# Allegro board BeagleBone-AI.brd (continued)
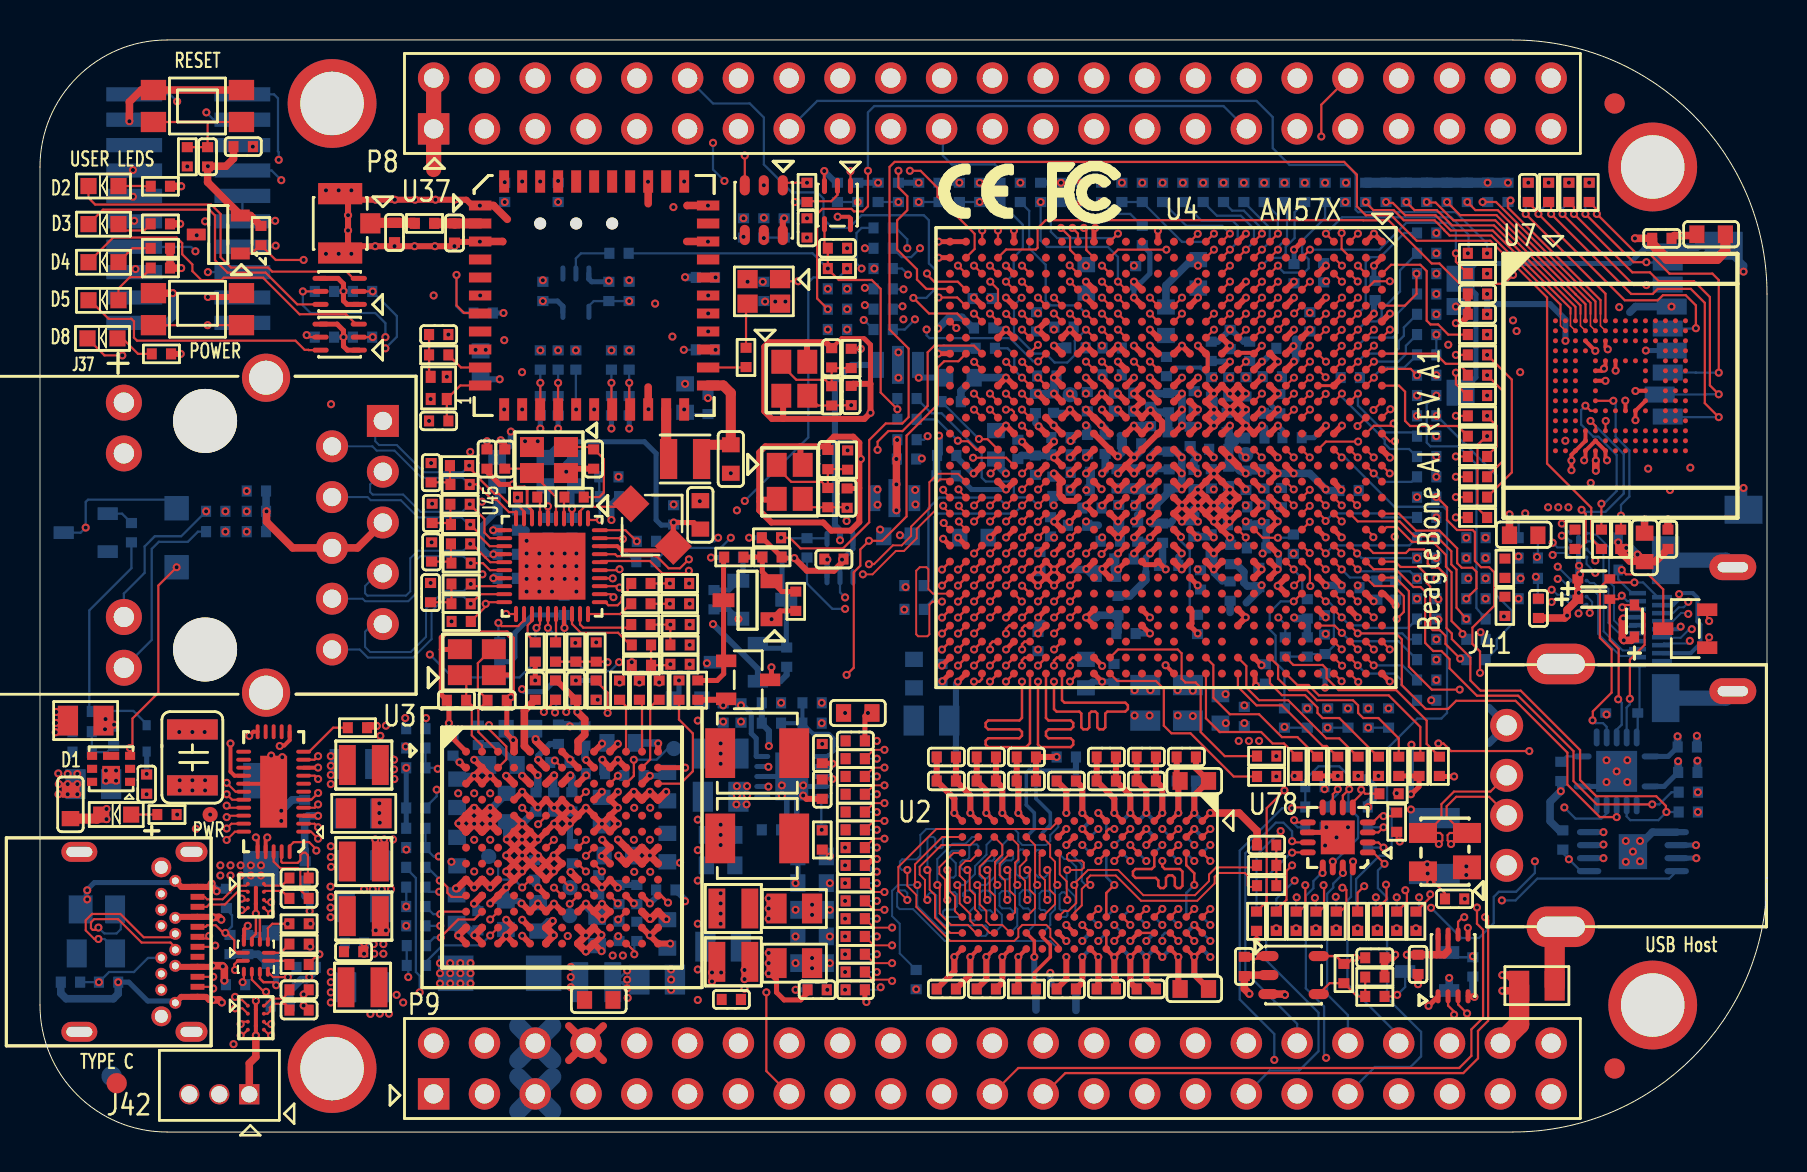
[diagram p0: board, top side]
## Placement (name value [footprint] x y rotation side) (continued)
R162  100K  [R0402]  45.97 46.99 270 bottom
R164  100K  [R0402]  41.91 46.99 270 bottom
R168  100K  [R0402]  64.26 46.99 270 bottom
R169  10K  [R0402]  63.37 24.26 90 bottom
R173  100K  [R0402]  69.34 22.61 180 bottom
R174  10K  [R0402]  66.85 27.1 270 bottom
R175  10K  [R0402]  73.41 46.99 270 bottom
R176  10K  [R0402]  71.37 46.99 270 bottom
R177  10K  [R0402]  69.34 46.99 270 bottom
R178  10K  [R0402]  67.31 46.99 270 bottom
R179  10K  [R0402]  66.29 46.99 270 bottom
R180  4.7K  [R0402]  69.34 25.65 180 bottom
R182  10K  [R0402]  67.79 27.1 90 bottom
R183  0R  [R0402]  74.42 46.99 90 bottom
R184  10K  [R0402]  72.39 46.99 270 bottom
R185  10K  [R0402]  70.36 46.99 270 bottom
R186  10K  [R0402]  68.33 46.99 270 bottom
R188  10K  [R0402]  76.76 29.64 270 top
R189  4.7K  [R0402]  69.34 26.67 0 bottom
R192  4.7K  [R0402]  63.37 26.16 90 bottom
R193  4.7K  [R0402]  69.34 28.7 0 bottom
R194  4.7K  [R0402]  69.34 27.69 0 bottom
R199  22R  [R0402]  69.34 30.73 0 bottom
R200  22R  [R0402]  69.34 29.72 0 bottom
R201  0R  [R0402]  79.04 29.64 270 top
R202  22R  [R0402]  65.28 46.99 90 bottom
R294  100R  [R0402]  19.94 38.86 0 top
R333  33R  [R0402]  25.02 38.61 270 bottom
R334  33R  [R0402]  25.91 38.61 270 bottom
R336  33R  [R0402]  28.58 38.61 270 bottom
R337  33R  [R0402]  29.46 38.61 270 bottom
R338  10K  [R0402]  22.16 40.96 180 bottom
R385  0R  [R0402]  19.23 45.44 0 top
R387  100K  [R0402]  16.13 39.75 180 bottom
R389  100K  [R0402]  14.22 39.75 0 bottom
R390  100K  [R0402]  16.13 42.04 180 bottom
R392  100K  [R0402]  14.22 42.04 0 bottom
R409  10K  [R0402]  82.42 16 180 bottom
R413  10K  [R0402]  25.91 46.99 90 bottom
R418  10K  [R0402]  75.44 46.99 270 top
R419  10K  [R0402]  76.45 46.99 270 top
R420  10K  [R0402]  77.47 46.99 270 top
R421  10K  [R0402]  75.44 46.99 270 bottom
R422  10K  [R0402]  76.45 46.99 270 bottom
R423  10K  [R0402]  77.47 46.99 270 bottom
R424  10K  [R0402]  39.88 42.16 180 bottom
R455  10K  [R0402]  28.47 31.78 180 bottom
R457  1K  [R0402]  8.79 30.02 0 bottom
R458  33R  [R0402]  30.05 25.37 180 top
R459  33R  [R0402]  30.07 24.36 180 top
R460  33R  [R0402]  25.78 24 90 top
R461  0R  [R0402]  26.71 31.75 0 top
R462  33R  [R0402]  25.78 24 90 bottom
R463  1K  [R0402]  10.82 30.02 180 bottom
R464  33R  [R0402]  30.05 26.42 180 top
R465  2.37K  [R0402]  24.38 31.75 180 top
R466  33R  [R0402]  30.05 27.43 180 top
R467  1K  [R0402]  24.77 24 270 top
R468  49.9R  [R0402]  20.98 33.32 180 top
R469  33R  [R0402]  30.3 28.52 180 bottom
R470  33R  [R0402]  30.33 29.54 180 bottom
R472  49.9R  [R0402]  21.01 32.38 180 top
R473  49.9R  [R0402]  21.01 31.39 180 top
R474  49.9R  [R0402]  21.03 30.38 180 top
R475  10K  [R0402]  21.06 25.53 180 top
R476  49.9R  [R0402]  21.03 29.41 180 top
R477  49.9R  [R0402]  21.06 28.45 180 top
R479  49.9R  [R0402]  21.06 27.41 180 top
R480  49.9R  [R0402]  21.06 26.42 180 top
R481  10K  [R0402]  26.8 24 90 bottom
R482  10K  [R0402]  8.79 31.04 0 bottom
R483  10K  [R0402]  22.99 24 270 bottom
R484  10K  [R0402]  32 23.39 0 top
R485  10K  [R0402]  26.8 24 90 top
R486  10K  [R0402]  32 24.36 0 top
R487  10K  [R0402]  31.98 26.42 0 top
R488  10K  [R0402]  32 25.37 180 top
R489  10K  [R0402]  30.07 23.34 0 top
R490  10K  [R0402]  27.81 24 270 top
R491  10K  [R0402]  31.98 27.43 0 top
R493  10K  [R0402]  55.12 46.99 90 bottom
R516  10K  [R0402]  76.15 14.61 90 bottom
R530  10K  [R0402]  69.34 24.64 180 bottom
R531  10K  [R0402]  71.81 29.72 180 bottom
R533  5.1K  [R0402]  9.32 11.68 90 bottom
R534  5.1K  [R0402]  1.52 7.49 180 bottom
R537  10K  [R0402]  15.88 20.22 0 top
R540  909K  [R0402]  9.78 7.37 0 bottom
R541  10K  [R0402]  12.01 6.3 0 bottom
R542  0R  [R0402]  12.95 9.4 0 top
R543  0R  [R0402]  12.95 8.38 0 top
R545  200K  [R0402]  13.31 8.23 0 bottom
R546  200K  [R0402]  12.95 10.41 180 top
R551  2.2K  [R0402]  2.11 21.03 0 bottom
R552  10K  [R0402]  4.57 29.97 90 bottom
R553  100K  [R0402]  2.11 19 0 bottom
R554  4.7K  [R0402]  3.68 19.79 90 bottom
R555  0R  [R0805]  2.67 17.4 0 bottom
R560  10K  [R0402]  23.24 46.99 90 bottom
R561  10K  [R0402]  25.02 36.32 90 bottom
R562  10K  [R0402]  25.91 36.32 90 bottom
R563  10K  [R0402]  26.8 38.61 270 bottom
R564  10K  [R0402]  28.58 36.32 90 bottom
R565  10K  [R0402]  29.46 36.32 90 bottom
R566  10K  [R0402]  63.75 16.26 0 bottom
R567  10K  [R0402]  65.91 14.22 0 bottom
R571  100K  [R0402]  63.75 15.24 0 bottom
R572  10K  [R0402]  65.91 15.24 0 bottom
R576  0R  [R0402]  35.31 38.73 270 top
R577  0R  [R0402]  68.81 10.54 270 top
R578  0R  [R0402]  68.81 10.54 270 bottom
R579  0R  [R0402]  67.84 10.54 270 bottom
R580  0R  [R0402]  67.84 10.54 90 top
R581  33R  [R0402]  69.34 21.59 180 bottom
R582  33R  [R0402]  69.34 23.62 180 bottom
R583  33R  [R0402]  49.02 46.99 90 bottom
R584  33R  [R0402]  69.34 31.75 0 bottom
R585  33R  [R0402]  48.01 46.99 90 bottom
R588  1K  [R0402]  37.21 42.04 270 bottom
R589  220R  [R0402]  27.81 22.1 90 top
R590  1K  [R0402]  6.02 43.21 0 top
R591  1K  [R0402]  6.02 44.2 0 top
R592  1K  [R0402]  6.02 45.42 0 top
R593  1K  [R0402]  6.02 47.29 0 top
R594  1K  [R0402]  6.35 15.88 0 top
R595  220R  [R0402]  7.37 48.77 270 top
R596  10K  [R0402]  39.88 46.99 90 bottom
R597  10K  [R0402]  53.09 46.99 90 bottom
R598  10K  [R0402]  43.94 46.99 90 bottom
R599  10K  [R0402]  52.07 46.99 90 bottom
R600  10K  [R0402]  57.15 46.99 90 bottom
R601  10K  [R0402]  58.17 46.99 90 bottom
R602  10K  [R0402]  59.18 46.99 90 bottom
R603  10K  [R0402]  60.2 46.99 90 bottom
R604  10K  [R0402]  61.21 46.99 90 bottom
R605  10K  [R0402]  63.25 46.99 90 bottom
R606  10K  [R0402]  62.23 46.99 90 bottom
R607  33R  [R0402]  71.81 26.67 0 bottom
R608  33R  [R0402]  71.81 24.64 0 bottom
R609  33R  [R0402]  69.34 32.77 0 bottom
R610  33R  [R0402]  33.27 39.12 180 bottom
R611  0R  [R0402]  33.4 36.39 90 bottom
R614  0R  [R0402]  69.34 44.96 0 bottom
R615  0R  [R0402]  39.88 41.15 180 bottom
R616  0R  [R0402]  69.34 43.94 0 bottom
R617  0R  [R0402]  71.81 27.69 0 bottom
R618  0R  [R0402]  71.81 28.7 180 bottom
R619  0R  [R0402]  69.34 41.91 0 bottom
R620  0R  [R0402]  69.34 38.86 0 bottom
R621  0R  [R0402]  69.34 39.88 0 bottom
R622  0R  [R0402]  69.34 33.78 0 bottom
R623  0R  [R0402]  69.34 40.89 0 bottom
R624  0R  [R0402]  69.34 37.85 180 bottom
R625  0R  [R0402]  69.34 34.8 0 bottom
R626  0R  [R0402]  69.34 35.81 0 bottom
R627  0R  [R0402]  71.81 23.62 0 bottom
R628  0R  [R0402]  69.34 42.93 0 bottom
R629  0R  [R0402]  39.88 40.13 180 bottom
R630  0R  [R0402]  71.81 25.65 180 bottom
R631  0R  [R0402]  69.34 36.83 0 bottom
R632  0R  [R0402]  61.82 10.54 270 bottom
R633  0R  [R0402]  61.82 10.54 270 top
R634  0R  [R0402]  63.8 10.54 270 top
R635  0R  [R0402]  63.8 10.54 270 bottom
R636  0R  [R0402]  60.83 10.54 90 top
R637  0R  [R0402]  60.83 10.54 270 bottom
R638  0R  [R0402]  62.81 10.54 270 bottom
R639  0R  [R0402]  62.81 10.54 270 top
R640  RL0805JR-070R1L  [R0805]  2.29 20.57 180 top
R641  0R  [R0402]  28.45 32.77 0 bottom
R642  0R  [R0402]  62.27 24.26 90 bottom
R643  0R  [R0402]  65.89 10.54 270 top
R644  0R  [R0402]  65.89 10.54 270 bottom
R645  0R  [R0402]  66.88 10.54 270 bottom
R646  0R  [R0402]  66.88 10.54 270 top
R652  0R  [R0402]  64.82 10.54 270 top
R653  0R  [R0402]  64.82 10.54 270 bottom
R656  100K  [R0402]  65.2 7.92 90 top
R657  80.6K  [R0402]  66.75 7.75 0 top
R658  52.3K  [R0402]  66.75 6.78 0 top
R659  100K  [R0402]  71.65 8.25 90 bottom
R660  100R  [R0402]  24.77 24 270 bottom
R661  10K  [R0402]  33.27 42.74 180 bottom
R662  0R  [R0402]  71.88 31.75 0 top
R663  0R  [R0402]  71.88 38.86 0 top
R664  0R  [R0402]  71.88 30.73 0 top
R665  0R  [R0402]  71.88 34.8 0 top
R666  0R  [R0402]  71.88 32.77 0 top
R667  0R  [R0402]  71.88 37.85 0 top
R668  0R  [R0402]  74.42 29.72 0 bottom
R669  0R  [R0402]  74.42 28.7 0 bottom
R670  1K  [R0402]  61.34 18.8 0 top
R671  1K  [R0402]  61.34 17.78 180 top
R672  1K  [R0402]  69.98 18.29 90 top
R673  1K  [R0402]  66.93 18.29 90 top
R674  1K  [R0402]  64.9 18.29 90 top
R675  1K  [R0402]  63.88 18.29 90 top
R676  1K  [R0402]  68.96 18.29 270 top
R677  1K  [R0402]  67.95 18.29 270 top
R678  1K  [R0402]  65.91 18.29 270 top
R679  1K  [R0402]  62.86 18.29 270 top
R680  0R  [R0402]  28.96 43.94 180 bottom
R681  0R  [R0402]  71.88 43.94 0 top
R682  0R  [R0402]  71.88 39.88 0 top
R683  0R  [R0402]  71.88 35.81 0 top
R684  0R  [R0402]  71.88 33.78 0 top
R685  0R  [R0402]  71.88 36.83 0 top
R686  0R  [R0402]  71.88 42.93 0 top
R687  0R  [R0402]  74.42 26.67 0 bottom
R688  0R  [R0402]  74.42 27.69 0 bottom
R689  100K  [R0402]  55.12 44.83 90 bottom
R690  10K  [R0402]  42.93 46.99 90 bottom
R691  10K  [R0402]  46.99 46.99 90 bottom
R692  100K  [R0402]  40.89 46.99 270 bottom
R693  100K  [R0402]  44.96 46.99 270 bottom
R694  0R  [R0402]  67.44 20.7 270 bottom
R695  0R  [R0402]  66.42 20.7 270 bottom
R696  0R  [R0402]  64.39 20.7 270 bottom
R697  0R  [R0402]  65.41 20.7 270 bottom
R698  0R  [R0402]  29.46 42.04 90 bottom
R699  RL0805JR-070R1L  [R0805]  74.85 7.32 180 top
R700  100K  [R0402]  11.05 44.83 90 top
R701  1K  [R0402]  6.07 38.91 0 top
R702  0R  [R0402]  73.25 26.29 90 top
R703  0R  [R0402]  73.25 28.19 270 top
R704  10K  [R0402]  76.05 18.03 90 bottom
R705  10K  [R0402]  82.42 16.99 180 bottom
R706  0R  [R0402]  67.84 15.49 90 top
R707  0R  [R0402]  67.46 16.92 180 top
S1  Tacticle Switch  [SWS4B46X28]  7.87 51.31 180 top
S3  Tacticle Switch  [SWS4B46X28]  7.87 41.15 180 top
T1  Si1902CDL-T1-GE3  [SOT363_6]  14.99 39.75 180 top
T2  Si1902CDL-T1-GE3  [SOT363_6]  14.99 42.04 180 top
TP2  NI  [TP30]  31.7 19.18 90 bottom
TP3  NI  [TP30]  26.49 10.82 90 bottom
TP4  NI  [TP30]  51.51 36.87 270 bottom
TP7  NI  [TP30]  22.44 13.78 90 bottom
TP8  NI  [TP30]  60.3 33.88 270 bottom
TP10  NI  [TP30]  8.51 15.88 0 top
TP11  NI  [TP30]  26.51 12.22 180 bottom
U1  TPS51200DRCRG4  [VSON50P300X300X100-11N]  37.59 17.78 180 bottom
U2  D2516EC4BXGGB  [BGA96G]  52.12 12.35 270 top
U3  TPS6590377ZWSR  [BGA169C80P13X13_1200X1200X140]  26.11 14.22 0 top
U4  AM5729BABCXEAR  [BGA760C80P28X28_2300X2300X305]  56.3 33.73 270 top
U6  SN74LVC1G08DCKR  [SC70_5]  39.88 46.35 270 top
U7  EMMC16G-TB28-Z20U  [BGA153P5]  79.03 37.32 0 top
U8  SN74LVC1G07DCKR  [SC70_5]  40 28.7 90 bottom
U10  TPS3808G33DBVT  [SOT23_6]  36.2 46.1 270 top
U11  D2516EC4BXGGB  [BGA96G]  52.12 12.35 90 bottom
U12  TXS0104ERGYR  [QFN50P350X350X100-15N]  78.84 18.03 180 bottom
U22  TUSB322IRWBR  [X2QFN40P160X160X40-12N]  10.79 8.76 0 top
U37  AW-CM256SM  [WLBT90P1200X1200X160-47N]  27.71 41.83 0 top
U40  SGM2032-ADJYN5G/TR  [SOT23_5]  62.69 7.85 0 top
U45  AR8035-AL1B  [QFN40_1P4H]  25.6 28.3 270 top
U46  SN74LVC2G241DCUT  [VSSOP8CR]  70.66 8.33 90 top
U48  TPS2051BDGN  [SOP8_1FH]  79.65 14.02 180 bottom
U72  PI3USB3102ZLE  [QFN40P300X600X80-33N]  11.68 17.02 180 top
U78  STMPE811QTR  [QFN50P300X300X100-17N]  64.9 14.73 180 top
U88  PCMF2USB30  [WLCSP10C40P3X4_117X157X60N]  10.79 11.81 0 top
U89  PCMF2USB30  [WLCSP10C40P3X4_117X157X60N]  10.79 5.71 0 top
U90  SN74LVC1G07DCKR  [SC70_5]  26.8 41.97 270 bottom
U91  PCMF2HDMI2S  [WLCSP10C40P3X4_117X157X60N]  76.94 29.34 180 bottom
U92  PCMF2HDMI2S  [WLCSP10C40P3X4_117X157X60N]  76.94 26.97 180 bottom
X4  37.4MHz  [X4S16X12]  19.94 37.21 90 top
X6  16.384MHz  [OSCCC250X200X60-4N]  21.84 23.5 0 top
X7  20MHz  [OSCCC250X200X60-4N]  37.49 32.51 270 top
X8  22.5792MHz  [OSCCC250X200X60-4N]  37.72 37.67 270 top
X9  25MHz  [OSCCC250X200X60-4N]  25.45 33.6 180 top

## Library data of the parts
C1-C18 C20 C22-C26 C35-C39 C41-C43 C49 C51 C52 C58 C60 C61 C68 C69 C79-C81 C87-C96 C98 C100-C113 C115-C128 C130-C134 C136 C138-C140 C143-C149 C151-C157 C159 C161-C166 C168-C172 C174-C190 C192-C218 C220-C227 C230-C238 C242 C245 C254-C279 C281-C283 C285 C286 C291-C300 C320 C321 C325-C327 C334-C353 C439-C446 C456 C457 C461-C464 C466 C472 C473 C480-C483 C488-C492 C494-C498 = C
C19 C40 C97 C99 C114 C141 C158 = C: signal model: CAP_0.1UF_X7R_16V_10%_0402__402_0.1uf_16V
D1-D5 D8 = LED
D6 D7 = DIODE ZENER_3
D21-D25 = Diode TVS Dual
D46 D47 = DIODE TVS DUAL
D76 = Diode Zener
D77 D81 D82 = Diode Schottky
D78 D79 = WE05R
FB2 FB3 FB5 FB6 = FB
FL1 FL2 = FL
ID1-ID3 = MARK POINT
J33 = ANT3P
J37 = JTRJ45-4118NLF
J41 = USB4A_2: Tolerance: TOL; User Part Number: PART#
J42 = USCF-001C2BC01-11
J90 = MCTF-0606
J91 = hdmis19_4p4
J92 = SIP3
L1 L2 L15-L22 L30 = L
MH1-MH4 = METALLIC HOLE
OSC1 = OSC-4
P2 = HDR_10x2_CJTAG_0
P8 P9 = HEAD2X23
Q1 Q4 Q14 = PNP
Q15 = PMOS_2S1G5D
Q17 Q18 = NMOS
Q19 = Diode dual_cc
R1-R4 R7-R15 R17-R19 R24-R27 R29-R31 R33 R34 R36-R40 R42-R44 R54-R58 R70 R74 R82-R104 R107 R108 R112 R113 R119 R121 R123-R126 R128-R132 R134 R136 R137 R139 R140 R142 R143 R145-R152 R155-R157 R159-R162 R164 R168 R169 R173-R180 R182-R186 R188 R189 R192-R194 R199-R202 R294 R333 R334 R336-R338 R385 R387 R389 R390 R392 R409 R413 R418-R424 R455 R457-R470 R472-R477 R479-R491 R493 R516 R530 R531 R533 R534 R537 R540-R543 R545 R546 R551-R555 R560-R567 R571 R572 R576-R585 R588-R611 R614-R646 R652 R653 R656-R707 = R
R20 = R: signal model: RES_22_1/16W_5%_0402_402_22_5%_22_5%
R22 = R: signal model: RES_0_1/16W_1%_0402_402_0_1%_0_1%
S1 S3 = PSW4
T1 T2 = NMOS_2S2G2D
TP2-TP4 TP7 TP8 TP10 TP11 = TEST POINT
U1 = TPS51200
U2 U11 = D2516EC4BXGGB_0
U3 = TPS659037
U4 = AM57X
U6 = SN74LVC1G08DCKR
U7 = EMMC08G-W325-X01
U8 U90 = SN74LVC1G07DCKR
U10 = TPS3808G
U12 = TXS0104ERGYR
U22 = TUSB322IRWBR
U37 = AP6255
U40 = SGM2032
U45 = AR8035
U46 = SN74LVC2G241DCUT
U48 = TPS2051BDGN
U72 = PI3USB3102ZLE
U78 = STMPE811QTR
U88 U89 = PCMF2USB30
U91 U92 = PCMF2HDMI2S
X4 X6-X9 = X4

## Footprints (pads in the part's own frame, mm; a bottom-side part is the same pattern mirrored in y, then rotated)
ANT3S_26X26
  rect 1.016x1.016 smd: 1(0,-1.508)
  rect 1.067x2.21 smd: 2(-1.483,0) 3(1.483,0)
BGA96G
  round 0.381 smd: A1(-3.2,6) A2(-2.4,6) A3(-1.6,6) A7(1.6,6) A8(2.4,6) A9(3.2,6) B1(-3.2,5.2) B2(-2.4,5.2) B3(-1.6,5.2) B7(1.6,5.2) B8(2.4,5.2) B9(3.2,5.2) C1(-3.2,4.4) C2(-2.4,4.4) C3(-1.6,4.4) C7(1.6,4.4) C8(2.4,4.4) C9(3.2,4.4) D1(-3.2,3.6) D2(-2.4,3.6) D3(-1.6,3.6) D7(1.6,3.6) D8(2.4,3.6) D9(3.2,3.6) E1(-3.2,2.8) E2(-2.4,2.8) E3(-1.6,2.8) E7(1.6,2.8) E8(2.4,2.8) E9(3.2,2.8) F1(-3.2,2) F2(-2.4,2) F3(-1.6,2) F7(1.6,2) F8(2.4,2) F9(3.2,2) G1(-3.2,1.2) G2(-2.4,1.2) G3(-1.6,1.2) G7(1.6,1.2) G8(2.4,1.2) G9(3.2,1.2) H1(-3.2,0.4) H2(-2.4,0.4) H3(-1.6,0.4) H7(1.6,0.4) H8(2.4,0.4) H9(3.2,0.4) J1(-3.2,-0.4) J2(-2.4,-0.4) J3(-1.6,-0.4) J7(1.6,-0.4) J8(2.4,-0.4) J9(3.2,-0.4) K1(-3.2,-1.2) K2(-2.4,-1.2) K3(-1.6,-1.2) K7(1.6,-1.2) K8(2.4,-1.2) K9(3.2,-1.2) L1(-3.2,-2) L2(-2.4,-2) L3(-1.6,-2) L7(1.6,-2) L8(2.4,-2) L9(3.2,-2) M1(-3.2,-2.8) M2(-2.4,-2.8) M3(-1.6,-2.8) M7(1.6,-2.8) M8(2.4,-2.8) M9(3.2,-2.8) N1(-3.2,-3.6) N2(-2.4,-3.6) N3(-1.6,-3.6) N7(1.6,-3.6) N8(2.4,-3.6) N9(3.2,-3.6) P1(-3.2,-4.4) P2(-2.4,-4.4) P3(-1.6,-4.4) P7(1.6,-4.4) P8(2.4,-4.4) P9(3.2,-4.4) R1(-3.2,-5.2) R2(-2.4,-5.2) R3(-1.6,-5.2) R7(1.6,-5.2) R8(2.4,-5.2) R9(3.2,-5.2) T1(-3.2,-6) T2(-2.4,-6) T3(-1.6,-6) T7(1.6,-6) T8(2.4,-6) T9(3.2,-6)
BGA153P5
  round 0.254 smd: A1(-3.25,3.25) A2(-2.75,3.25) A3(-2.25,3.25) A4(-1.75,3.25) A5(-1.25,3.25) A6(-0.75,3.25) A7(-0.25,3.25) A8(0.25,3.25) A9(0.75,3.25) A10(1.25,3.25) A11(1.75,3.25) A12(2.25,3.25) A13(2.75,3.25) A14(3.25,3.25) B1(-3.25,2.75) B2(-2.75,2.75) B3(-2.25,2.75) B4(-1.75,2.75) B5(-1.25,2.75) B6(-0.75,2.75) B7(-0.25,2.75) B8(0.25,2.75) B9(0.75,2.75) B10(1.25,2.75) B11(1.75,2.75) B12(2.25,2.75) B13(2.75,2.75) B14(3.25,2.75) C1(-3.25,2.25) C2(-2.75,2.25) C3(-2.25,2.25) C4(-1.75,2.25) C5(-1.25,2.25) C6(-0.75,2.25) C7(-0.25,2.25) C8(0.25,2.25) C9(0.75,2.25) C10(1.25,2.25) C11(1.75,2.25) C12(2.25,2.25) C13(2.75,2.25) C14(3.25,2.25) D1(-3.25,1.75) D2(-2.75,1.75) D3(-2.25,1.75) D4(-1.75,1.75) D12(2.25,1.75) D13(2.75,1.75) D14(3.25,1.75) E1(-3.25,1.25) E2(-2.75,1.25) E3(-2.25,1.25) E5(-1.25,1.25) E6(-0.75,1.25) E7(-0.25,1.25) E8(0.25,1.25) E9(0.75,1.25) E10(1.25,1.25) E12(2.25,1.25) E13(2.75,1.25) E14(3.25,1.25) F1(-3.25,0.75) F2(-2.75,0.75) F3(-2.25,0.75) F5(-1.25,0.75) F10(1.25,0.75) F12(2.25,0.75) F13(2.75,0.75) F14(3.25,0.75) G1(-3.25,0.25) G2(-2.75,0.25) G3(-2.25,0.25) G5(-1.25,0.25) G10(1.25,0.25) G12(2.25,0.25) G13(2.75,0.25) G14(3.25,0.25) H1(-3.25,-0.25) H2(-2.75,-0.25) H3(-2.25,-0.25) H5(-1.25,-0.25) H10(1.25,-0.25) H12(2.25,-0.25) H13(2.75,-0.25) H14(3.25,-0.25) J1(-3.25,-0.75) J2(-2.75,-0.75) J3(-2.25,-0.75) J5(-1.25,-0.75) J10(1.25,-0.75) J12(2.25,-0.75) J13(2.75,-0.75) J14(3.25,-0.75) K1(-3.25,-1.25) K2(-2.75,-1.25) K3(-2.25,-1.25) K5(-1.25,-1.25) K6(-0.75,-1.25) K7(-0.25,-1.25) K8(0.25,-1.25) K9(0.75,-1.25) K10(1.25,-1.25) K12(2.25,-1.25) K13(2.75,-1.25) K14(3.25,-1.25) L1(-3.25,-1.75) L2(-2.75,-1.75) L3(-2.25,-1.75) L12(2.25,-1.75) L13(2.75,-1.75) L14(3.25,-1.75) M1(-3.25,-2.25) M2(-2.75,-2.25) M3(-2.25,-2.25) M4(-1.75,-2.25) M5(-1.25,-2.25) M6(-0.75,-2.25) M7(-0.25,-2.25) M8(0.25,-2.25) M9(0.75,-2.25) M10(1.25,-2.25) M11(1.75,-2.25) M12(2.25,-2.25) M13(2.75,-2.25) M14(3.25,-2.25) N1(-3.25,-2.75) N2(-2.75,-2.75) N3(-2.25,-2.75) N4(-1.75,-2.75) N5(-1.25,-2.75) N6(-0.75,-2.75) N7(-0.25,-2.75) N8(0.25,-2.75) N9(0.75,-2.75) N10(1.25,-2.75) N11(1.75,-2.75) N12(2.25,-2.75) N13(2.75,-2.75) N14(3.25,-2.75) P1(-3.25,-3.25) P2(-2.75,-3.25) P3(-2.25,-3.25) P4(-1.75,-3.25) P5(-1.25,-3.25) P6(-0.75,-3.25) P7(-0.25,-3.25) P8(0.25,-3.25) P9(0.75,-3.25) P10(1.25,-3.25) P11(1.75,-3.25) P12(2.25,-3.25) P13(2.75,-3.25) P14(3.25,-3.25)
BGA169C80P13X13_1200X1200X140
  round 0.4 smd: A1(-4.8,4.8) A2(-4,4.8) A3(-3.2,4.8) A4(-2.4,4.8) A5(-1.6,4.8) A6(-0.8,4.8) A7(0,4.8) A8(0.8,4.8) A9(1.6,4.8) A10(2.4,4.8) A11(3.2,4.8) A12(4,4.8) A13(4.8,4.8) B1(-4.8,4) B2(-4,4) B3(-3.2,4) B4(-2.4,4) B5(-1.6,4) B6(-0.8,4) B7(0,4) B8(0.8,4) B9(1.6,4) B10(2.4,4) B11(3.2,4) B12(4,4) B13(4.8,4) C1(-4.8,3.2) C2(-4,3.2) C3(-3.2,3.2) C4(-2.4,3.2) C5(-1.6,3.2) C6(-0.8,3.2) C7(0,3.2) C8(0.8,3.2) C9(1.6,3.2) C10(2.4,3.2) C11(3.2,3.2) C12(4,3.2) C13(4.8,3.2) D1(-4.8,2.4) D2(-4,2.4) D3(-3.2,2.4) D4(-2.4,2.4) D5(-1.6,2.4) D6(-0.8,2.4) D7(0,2.4) D8(0.8,2.4) D9(1.6,2.4) D10(2.4,2.4) D11(3.2,2.4) D12(4,2.4) D13(4.8,2.4) E1(-4.8,1.6) E2(-4,1.6) E3(-3.2,1.6) E4(-2.4,1.6) E5(-1.6,1.6) E6(-0.8,1.6) E7(0,1.6) E8(0.8,1.6) E9(1.6,1.6) E10(2.4,1.6) E11(3.2,1.6) E12(4,1.6) E13(4.8,1.6) F1(-4.8,0.8) F2(-4,0.8) F3(-3.2,0.8) F4(-2.4,0.8) F5(-1.6,0.8) F6(-0.8,0.8) F7(0,0.8) F8(0.8,0.8) F9(1.6,0.8) F10(2.4,0.8) F11(3.2,0.8) F12(4,0.8) F13(4.8,0.8) G1(-4.8,0) G2(-4,0) G3(-3.2,0) G4(-2.4,0) G5(-1.6,0) G6(-0.8,0) G7(0,0) G8(0.8,0) G9(1.6,0) G10(2.4,0) G11(3.2,0) G12(4,0) G13(4.8,0) H1(-4.8,-0.8) H2(-4,-0.8) H3(-3.2,-0.8) H4(-2.4,-0.8) H5(-1.6,-0.8) H6(-0.8,-0.8) H7(0,-0.8) H8(0.8,-0.8) H9(1.6,-0.8) H10(2.4,-0.8) H11(3.2,-0.8) H12(4,-0.8) H13(4.8,-0.8) J1(-4.8,-1.6) J2(-4,-1.6) J3(-3.2,-1.6) J4(-2.4,-1.6) J5(-1.6,-1.6) J6(-0.8,-1.6) J7(0,-1.6) J8(0.8,-1.6) J9(1.6,-1.6) J10(2.4,-1.6) J11(3.2,-1.6) J12(4,-1.6) J13(4.8,-1.6) K1(-4.8,-2.4) K2(-4,-2.4) K3(-3.2,-2.4) K4(-2.4,-2.4) K5(-1.6,-2.4) K6(-0.8,-2.4) K7(0,-2.4) K8(0.8,-2.4) K9(1.6,-2.4) K10(2.4,-2.4) K11(3.2,-2.4) K12(4,-2.4) K13(4.8,-2.4) L1(-4.8,-3.2) L2(-4,-3.2) L3(-3.2,-3.2) L4(-2.4,-3.2) L5(-1.6,-3.2) L6(-0.8,-3.2) L7(0,-3.2) L8(0.8,-3.2) L9(1.6,-3.2) L10(2.4,-3.2) L11(3.2,-3.2) L12(4,-3.2) L13(4.8,-3.2) M1(-4.8,-4) M2(-4,-4) M3(-3.2,-4) M4(-2.4,-4) M5(-1.6,-4) M6(-0.8,-4) M7(0,-4) M8(0.8,-4) M9(1.6,-4) M10(2.4,-4) M11(3.2,-4) M12(4,-4) M13(4.8,-4) N1(-4.8,-4.8) N2(-4,-4.8) N3(-3.2,-4.8) N4(-2.4,-4.8) N5(-1.6,-4.8) N6(-0.8,-4.8) N7(0,-4.8) N8(0.8,-4.8) N9(1.6,-4.8) N10(2.4,-4.8) N11(3.2,-4.8) N12(4,-4.8) N13(4.8,-4.8)
BGA760C80P28X28_2300X2300X305
  round 0.4 smd: A1(-10.8,10.8) A2(-10,10.8) A3(-9.2,10.8) A4(-8.4,10.8) A5(-7.6,10.8) A6(-6.8,10.8) A7(-6,10.8) A8(-5.2,10.8) A9(-4.4,10.8) A10(-3.6,10.8) A11(-2.8,10.8) A12(-2,10.8) A13(-1.2,10.8) A14(-0.4,10.8) A15(0.4,10.8) A16(1.2,10.8) A17(2,10.8) A18(2.8,10.8) A19(3.6,10.8) A20(4.4,10.8) A21(5.2,10.8) A22(6,10.8) A23(6.8,10.8) A24(7.6,10.8) A25(8.4,10.8) A26(9.2,10.8) A27(10,10.8) A28(10.8,10.8) AA1(-10.8,-5.2) AA2(-10,-5.2) AA3(-9.2,-5.2) AA4(-8.4,-5.2) AA5(-7.6,-5.2) AA6(-6.8,-5.2) AA7(-6,-5.2) AA8(-5.2,-5.2) AA9(-4.4,-5.2) AA10(-3.6,-5.2) AA11(-2.8,-5.2) AA12(-2,-5.2) AA13(-1.2,-5.2) AA14(-0.4,-5.2) AA15(0.4,-5.2) AA16(1.2,-5.2) AA17(2,-5.2) AA18(2.8,-5.2) AA19(3.6,-5.2) AA20(4.4,-5.2) AA21(5.2,-5.2) AA22(6,-5.2) AA23(6.8,-5.2) AA24(7.6,-5.2) AA25(8.4,-5.2) AA26(9.2,-5.2) AA27(10,-5.2) AA28(10.8,-5.2) AB1(-10.8,-6) AB2(-10,-6) AB3(-9.2,-6) AB4(-8.4,-6) AB5(-7.6,-6) AB6(-6.8,-6) AB7(-6,-6) AB8(-5.2,-6) AB9(-4.4,-6) AB10(-3.6,-6) AB11(-2.8,-6) AB12(-2,-6) AB13(-1.2,-6) AB14(-0.4,-6) AB15(0.4,-6) AB16(1.2,-6) AB17(2,-6) AB18(2.8,-6) AB19(3.6,-6) AB20(4.4,-6) AB21(5.2,-6) AB22(6,-6) AB23(6.8,-6) AB24(7.6,-6) AB25(8.4,-6) AB27(10,-6) AB28(10.8,-6) AC1(-10.8,-6.8) AC2(-10,-6.8) AC3(-9.2,-6.8) AC4(-8.4,-6.8) AC5(-7.6,-6.8) AC6(-6.8,-6.8) AC7(-6,-6.8) AC8(-5.2,-6.8) AC9(-4.4,-6.8) AC10(-3.6,-6.8) AC11(-2.8,-6.8) AC12(-2,-6.8) AC13(-1.2,-6.8) AC14(-0.4,-6.8) AC15(0.4,-6.8) AC16(1.2,-6.8) AC17(2,-6.8) AC18(2.8,-6.8) AC19(3.6,-6.8) AC20(4.4,-6.8) AC21(5.2,-6.8) AC22(6,-6.8) AC23(6.8,-6.8) AC24(7.6,-6.8) AC25(8.4,-6.8) AC26(9.2,-6.8) AC27(10,-6.8) AC28(10.8,-6.8) AD1(-10.8,-7.6) AD2(-10,-7.6) AD3(-9.2,-7.6) AD4(-8.4,-7.6) AD5(-7.6,-7.6) AD6(-6.8,-7.6) AD7(-6,-7.6) AD8(-5.2,-7.6) AD9(-4.4,-7.6) AD10(-3.6,-7.6) AD11(-2.8,-7.6) AD12(-2,-7.6) AD13(-1.2,-7.6) AD14(-0.4,-7.6) AD15(0.4,-7.6) AD16(1.2,-7.6) AD17(2,-7.6) AD18(2.8,-7.6) AD19(3.6,-7.6) AD20(4.4,-7.6) AD21(5.2,-7.6) AD22(6,-7.6) AD23(6.8,-7.6) AD24(7.6,-7.6) AD25(8.4,-7.6) AD26(9.2,-7.6) AD27(10,-7.6) AD28(10.8,-7.6) AE1(-10.8,-8.4) AE2(-10,-8.4) AE3(-9.2,-8.4) AE5(-7.6,-8.4) AE6(-6.8,-8.4) AE7(-6,-8.4) AE8(-5.2,-8.4) AE9(-4.4,-8.4) AE10(-3.6,-8.4) AE11(-2.8,-8.4) AE12(-2,-8.4) AE13(-1.2,-8.4) AE14(-0.4,-8.4) AE15(0.4,-8.4) AE16(1.2,-8.4) AE17(2,-8.4) AE18(2.8,-8.4) AE19(3.6,-8.4) AE20(4.4,-8.4) AE21(5.2,-8.4) AE22(6,-8.4) AE23(6.8,-8.4) AE24(7.6,-8.4) AE26(9.2,-8.4) AE27(10,-8.4) AE28(10.8,-8.4) AF1(-10.8,-9.2) AF2(-10,-9.2) AF3(-9.2,-9.2) AF4(-8.4,-9.2) AF5(-7.6,-9.2) AF6(-6.8,-9.2) AF8(-5.2,-9.2) AF9(-4.4,-9.2) AF11(-2.8,-9.2) AF12(-2,-9.2) AF14(-0.4,-9.2) AF15(0.4,-9.2) AF17(2,-9.2) AF18(2.8,-9.2) AF20(4.4,-9.2) AF21(5.2,-9.2) AF22(6,-9.2) AF23(6.8,-9.2) AF24(7.6,-9.2) AF25(8.4,-9.2) AF26(9.2,-9.2) AF27(10,-9.2) AF28(10.8,-9.2) AG1(-10.8,-10) AG2(-10,-10) AG3(-9.2,-10) AG4(-8.4,-10) AG5(-7.6,-10) AG6(-6.8,-10) AG7(-6,-10) AG8(-5.2,-10) AG9(-4.4,-10) AG10(-3.6,-10) AG11(-2.8,-10) AG12(-2,-10) AG13(-1.2,-10) AG14(-0.4,-10) AG15(0.4,-10) AG16(1.2,-10) AG17(2,-10) AG18(2.8,-10) AG19(3.6,-10) AG20(4.4,-10) AG21(5.2,-10) AG22(6,-10) AG23(6.8,-10) AG24(7.6,-10) AG25(8.4,-10) AG26(9.2,-10) AG27(10,-10) AG28(10.8,-10) AH1(-10.8,-10.8) AH2(-10,-10.8) AH3(-9.2,-10.8) AH4(-8.4,-10.8) AH5(-7.6,-10.8) AH6(-6.8,-10.8) AH7(-6,-10.8) AH8(-5.2,-10.8) AH9(-4.4,-10.8) AH10(-3.6,-10.8) AH11(-2.8,-10.8) AH12(-2,-10.8) AH13(-1.2,-10.8) AH14(-0.4,-10.8) AH15(0.4,-10.8) AH16(1.2,-10.8) AH17(2,-10.8) AH18(2.8,-10.8) AH19(3.6,-10.8) AH20(4.4,-10.8) AH21(5.2,-10.8) AH22(6,-10.8) AH23(6.8,-10.8) AH24(7.6,-10.8) AH25(8.4,-10.8) AH26(9.2,-10.8) AH27(10,-10.8) AH28(10.8,-10.8) B1(-10.8,10) B2(-10,10) B3(-9.2,10) B4(-8.4,10) B5(-7.6,10) B6(-6.8,10) B7(-6,10) B8(-5.2,10) B9(-4.4,10) B10(-3.6,10) B11(-2.8,10) B12(-2,10) B13(-1.2,10) B14(-0.4,10) B15(0.4,10) B16(1.2,10) B17(2,10) B18(2.8,10) B19(3.6,10) B20(4.4,10) B21(5.2,10) B22(6,10) B23(6.8,10) B24(7.6,10) B25(8.4,10) B26(9.2,10) B27(10,10) B28(10.8,10) C1(-10.8,9.2) C2(-10,9.2) C3(-9.2,9.2) C4(-8.4,9.2) C5(-7.6,9.2) C6(-6.8,9.2) C7(-6,9.2) C8(-5.2,9.2) C9(-4.4,9.2) C11(-2.8,9.2) C12(-2,9.2) C14(-0.4,9.2) C15(0.4,9.2) C17(2,9.2) C18(2.8,9.2) C20(4.4,9.2) C21(5.2,9.2) C23(6.8,9.2) C24(7.6,9.2) C25(8.4,9.2) C26(9.2,9.2) C27(10,9.2) C28(10.8,9.2) D1(-10.8,8.4) D2(-10,8.4) D3(-9.2,8.4) D5(-7.6,8.4) D6(-6.8,8.4) D7(-6,8.4) D8(-5.2,8.4) D9(-4.4,8.4) D10(-3.6,8.4) D11(-2.8,8.4) D12(-2,8.4) D13(-1.2,8.4) D14(-0.4,8.4) D15(0.4,8.4) D16(1.2,8.4) D17(2,8.4) D18(2.8,8.4) D19(3.6,8.4) D20(4.4,8.4) D21(5.2,8.4) D22(6,8.4) D23(6.8,8.4) D24(7.6,8.4) D26(9.2,8.4) D27(10,8.4) D28(10.8,8.4) E1(-10.8,7.6) E2(-10,7.6) E3(-9.2,7.6) E4(-8.4,7.6) E5(-7.6,7.6) E6(-6.8,7.6) E7(-6,7.6) E8(-5.2,7.6) E9(-4.4,7.6) E10(-3.6,7.6) E11(-2.8,7.6) E12(-2,7.6) E13(-1.2,7.6) E14(-0.4,7.6) E15(0.4,7.6) E16(1.2,7.6) E17(2,7.6) E18(2.8,7.6) E19(3.6,7.6) E20(4.4,7.6) E21(5.2,7.6) E22(6,7.6) E23(6.8,7.6) E24(7.6,7.6) E25(8.4,7.6) E26(9.2,7.6) E27(10,7.6) E28(10.8,7.6) F1(-10.8,6.8) F2(-10,6.8) F3(-9.2,6.8) F4(-8.4,6.8) F5(-7.6,6.8) F6(-6.8,6.8) F7(-6,6.8) F8(-5.2,6.8) F9(-4.4,6.8) F10(-3.6,6.8) F11(-2.8,6.8) F12(-2,6.8) F13(-1.2,6.8) F14(-0.4,6.8) F15(0.4,6.8) F16(1.2,6.8) F17(2,6.8) F18(2.8,6.8) F19(3.6,6.8) F20(4.4,6.8) F21(5.2,6.8) F22(6,6.8) F23(6.8,6.8) F24(7.6,6.8) F25(8.4,6.8) F26(9.2,6.8) F27(10,6.8) F28(10.8,6.8) G1(-10.8,6) G2(-10,6) G4(-8.4,6) G5(-7.6,6) G6(-6.8,6) G7(-6,6) G8(-5.2,6) G9(-4.4,6) G10(-3.6,6) G11(-2.8,6) G12(-2,6) G13(-1.2,6) G14(-0.4,6) G15(0.4,6) G16(1.2,6) G17(2,6) G18(2.8,6) G19(3.6,6) G20(4.4,6) G21(5.2,6) G22(6,6) G23(6.8,6) G24(7.6,6) G25(8.4,6) G26(9.2,6) G27(10,6) G28(10.8,6) H1(-10.8,5.2) H2(-10,5.2) H3(-9.2,5.2) H4(-8.4,5.2) H5(-7.6,5.2) H6(-6.8,5.2) H7(-6,5.2) H8(-5.2,5.2) H9(-4.4,5.2) H10(-3.6,5.2) H11(-2.8,5.2) H12(-2,5.2) H13(-1.2,5.2) H14(-0.4,5.2) H15(0.4,5.2) H16(1.2,5.2) H17(2,5.2) H18(2.8,5.2) H19(3.6,5.2) H20(4.4,5.2) H21(5.2,5.2) H22(6,5.2) H23(6.8,5.2) H24(7.6,5.2) H25(8.4,5.2) H26(9.2,5.2) H27(10,5.2) H28(10.8,5.2) J1(-10.8,4.4) J2(-10,4.4) J3(-9.2,4.4) J4(-8.4,4.4) J5(-7.6,4.4) J6(-6.8,4.4) J7(-6,4.4) J8(-5.2,4.4) J9(-4.4,4.4) J10(-3.6,4.4) J11(-2.8,4.4) J12(-2,4.4) J13(-1.2,4.4) J14(-0.4,4.4) J15(0.4,4.4) J16(1.2,4.4) J17(2,4.4) J18(2.8,4.4) J19(3.6,4.4) J20(4.4,4.4) J21(5.2,4.4) J22(6,4.4) J23(6.8,4.4) J24(7.6,4.4) J25(8.4,4.4) J26(9.2,4.4) J27(10,4.4) J28(10.8,4.4) K1(-10.8,3.6) K2(-10,3.6) K4(-8.4,3.6) K5(-7.6,3.6) K6(-6.8,3.6) K7(-6,3.6) K8(-5.2,3.6) K9(-4.4,3.6) K10(-3.6,3.6) K11(-2.8,3.6) K12(-2,3.6) K13(-1.2,3.6) K14(-0.4,3.6) K15(0.4,3.6) K16(1.2,3.6) K17(2,3.6) K18(2.8,3.6) K19(3.6,3.6) K20(4.4,3.6) K21(5.2,3.6) K22(6,3.6) K23(6.8,3.6) K24(7.6,3.6) K25(8.4,3.6) K27(10,3.6) K28(10.8,3.6) L1(-10.8,2.8) L2(-10,2.8) L3(-9.2,2.8) L4(-8.4,2.8) L5(-7.6,2.8) L6(-6.8,2.8) L7(-6,2.8) L8(-5.2,2.8) L9(-4.4,2.8) L10(-3.6,2.8) L11(-2.8,2.8) L12(-2,2.8) L13(-1.2,2.8) L14(-0.4,2.8) L15(0.4,2.8) L16(1.2,2.8) L17(2,2.8) L18(2.8,2.8) L19(3.6,2.8) L20(4.4,2.8) L21(5.2,2.8) L22(6,2.8) L23(6.8,2.8) L24(7.6,2.8) L25(8.4,2.8) L26(9.2,2.8) L27(10,2.8) L28(10.8,2.8) M1(-10.8,2) M2(-10,2) M3(-9.2,2) M4(-8.4,2) M5(-7.6,2) M6(-6.8,2) M7(-6,2) M8(-5.2,2) M9(-4.4,2) M10(-3.6,2) M11(-2.8,2) M12(-2,2) M13(-1.2,2) M14(-0.4,2) M15(0.4,2) M16(1.2,2) M17(2,2) M18(2.8,2) M19(3.6,2) M20(4.4,2) M21(5.2,2) M22(6,2) M23(6.8,2) M24(7.6,2) M25(8.4,2) M26(9.2,2) M27(10,2) M28(10.8,2) N1(-10.8,1.2) N2(-10,1.2) N4(-8.4,1.2) N5(-7.6,1.2) N6(-6.8,1.2) N7(-6,1.2) N8(-5.2,1.2) N9(-4.4,1.2) N10(-3.6,1.2) N11(-2.8,1.2) N12(-2,1.2) N13(-1.2,1.2) N14(-0.4,1.2) N15(0.4,1.2) N16(1.2,1.2) N17(2,1.2) N18(2.8,1.2) N19(3.6,1.2) N20(4.4,1.2) N21(5.2,1.2) N22(6,1.2) N23(6.8,1.2) N24(7.6,1.2) N25(8.4,1.2) N27(10,1.2) N28(10.8,1.2) P1(-10.8,0.4) P2(-10,0.4) P3(-9.2,0.4) P4(-8.4,0.4) P5(-7.6,0.4) P6(-6.8,0.4) P7(-6,0.4) P8(-5.2,0.4) P9(-4.4,0.4) P10(-3.6,0.4) P11(-2.8,0.4) P12(-2,0.4) P13(-1.2,0.4) P14(-0.4,0.4) P15(0.4,0.4) P16(1.2,0.4) P17(2,0.4) P18(2.8,0.4) P19(3.6,0.4) P20(4.4,0.4) P21(5.2,0.4) P22(6,0.4) P23(6.8,0.4) P24(7.6,0.4) P25(8.4,0.4) P26(9.2,0.4) P27(10,0.4) P28(10.8,0.4) R1(-10.8,-0.4) R2(-10,-0.4) R3(-9.2,-0.4) R4(-8.4,-0.4) R5(-7.6,-0.4) R6(-6.8,-0.4) R7(-6,-0.4) R8(-5.2,-0.4) R9(-4.4,-0.4) R10(-3.6,-0.4) R11(-2.8,-0.4) R12(-2,-0.4) R13(-1.2,-0.4) R14(-0.4,-0.4) R15(0.4,-0.4) R16(1.2,-0.4) R17(2,-0.4) R18(2.8,-0.4) R19(3.6,-0.4) R20(4.4,-0.4) R21(5.2,-0.4) R22(6,-0.4) R23(6.8,-0.4) R24(7.6,-0.4) R25(8.4,-0.4) R26(9.2,-0.4) R27(10,-0.4) R28(10.8,-0.4) T1(-10.8,-1.2) T2(-10,-1.2) T4(-8.4,-1.2) T5(-7.6,-1.2) T6(-6.8,-1.2) T7(-6,-1.2) T8(-5.2,-1.2) T9(-4.4,-1.2) T10(-3.6,-1.2) T11(-2.8,-1.2) T12(-2,-1.2) T13(-1.2,-1.2) T14(-0.4,-1.2) T15(0.4,-1.2) T16(1.2,-1.2) T17(2,-1.2) T18(2.8,-1.2) T19(3.6,-1.2) T20(4.4,-1.2) T21(5.2,-1.2) T22(6,-1.2) T23(6.8,-1.2) T24(7.6,-1.2) T25(8.4,-1.2) T27(10,-1.2) T28(10.8,-1.2) U1(-10.8,-2) U2(-10,-2) U3(-9.2,-2) U4(-8.4,-2) U5(-7.6,-2) U6(-6.8,-2) U7(-6,-2) U8(-5.2,-2) U9(-4.4,-2) U10(-3.6,-2) U11(-2.8,-2) U12(-2,-2) U13(-1.2,-2) U14(-0.4,-2) U15(0.4,-2) U16(1.2,-2) U17(2,-2) U18(2.8,-2) U19(3.6,-2) U20(4.4,-2) U21(5.2,-2) U22(6,-2) U23(6.8,-2) U24(7.6,-2) U25(8.4,-2) U26(9.2,-2) U27(10,-2) U28(10.8,-2) V1(-10.8,-2.8) V2(-10,-2.8) V3(-9.2,-2.8) V4(-8.4,-2.8) V5(-7.6,-2.8) V6(-6.8,-2.8) V7(-6,-2.8) V8(-5.2,-2.8) V9(-4.4,-2.8) V10(-3.6,-2.8) V11(-2.8,-2.8) V12(-2,-2.8) V13(-1.2,-2.8) V14(-0.4,-2.8) V15(0.4,-2.8) V16(1.2,-2.8) V17(2,-2.8) V18(2.8,-2.8) V19(3.6,-2.8) V20(4.4,-2.8) V21(5.2,-2.8) V22(6,-2.8) V23(6.8,-2.8) V24(7.6,-2.8) V25(8.4,-2.8) V26(9.2,-2.8) V27(10,-2.8) V28(10.8,-2.8) W1(-10.8,-3.6) W2(-10,-3.6) W4(-8.4,-3.6) W5(-7.6,-3.6) W6(-6.8,-3.6) W7(-6,-3.6) W8(-5.2,-3.6) W9(-4.4,-3.6) W10(-3.6,-3.6) W11(-2.8,-3.6) W12(-2,-3.6) W13(-1.2,-3.6) W14(-0.4,-3.6) W15(0.4,-3.6) W16(1.2,-3.6) W17(2,-3.6) W18(2.8,-3.6) W19(3.6,-3.6) W20(4.4,-3.6) W21(5.2,-3.6) W22(6,-3.6) W23(6.8,-3.6) W24(7.6,-3.6) W25(8.4,-3.6) W27(10,-3.6) W28(10.8,-3.6) Y1(-10.8,-4.4) Y2(-10,-4.4) Y3(-9.2,-4.4) Y4(-8.4,-4.4) Y5(-7.6,-4.4) Y6(-6.8,-4.4) Y7(-6,-4.4) Y8(-5.2,-4.4) Y9(-4.4,-4.4) Y10(-3.6,-4.4) Y11(-2.8,-4.4) Y12(-2,-4.4) Y13(-1.2,-4.4) Y14(-0.4,-4.4) Y15(0.4,-4.4) Y16(1.2,-4.4) Y17(2,-4.4) Y18(2.8,-4.4) Y19(3.6,-4.4) Y20(4.4,-4.4) Y21(5.2,-4.4) Y22(6,-4.4) Y23(6.8,-4.4) Y24(7.6,-4.4) Y25(8.4,-4.4) Y26(9.2,-4.4) Y27(10,-4.4) Y28(10.8,-4.4)
